# Altium PCB PCB SOM AM625.PcbDoc (part 2 of 6) (continued)
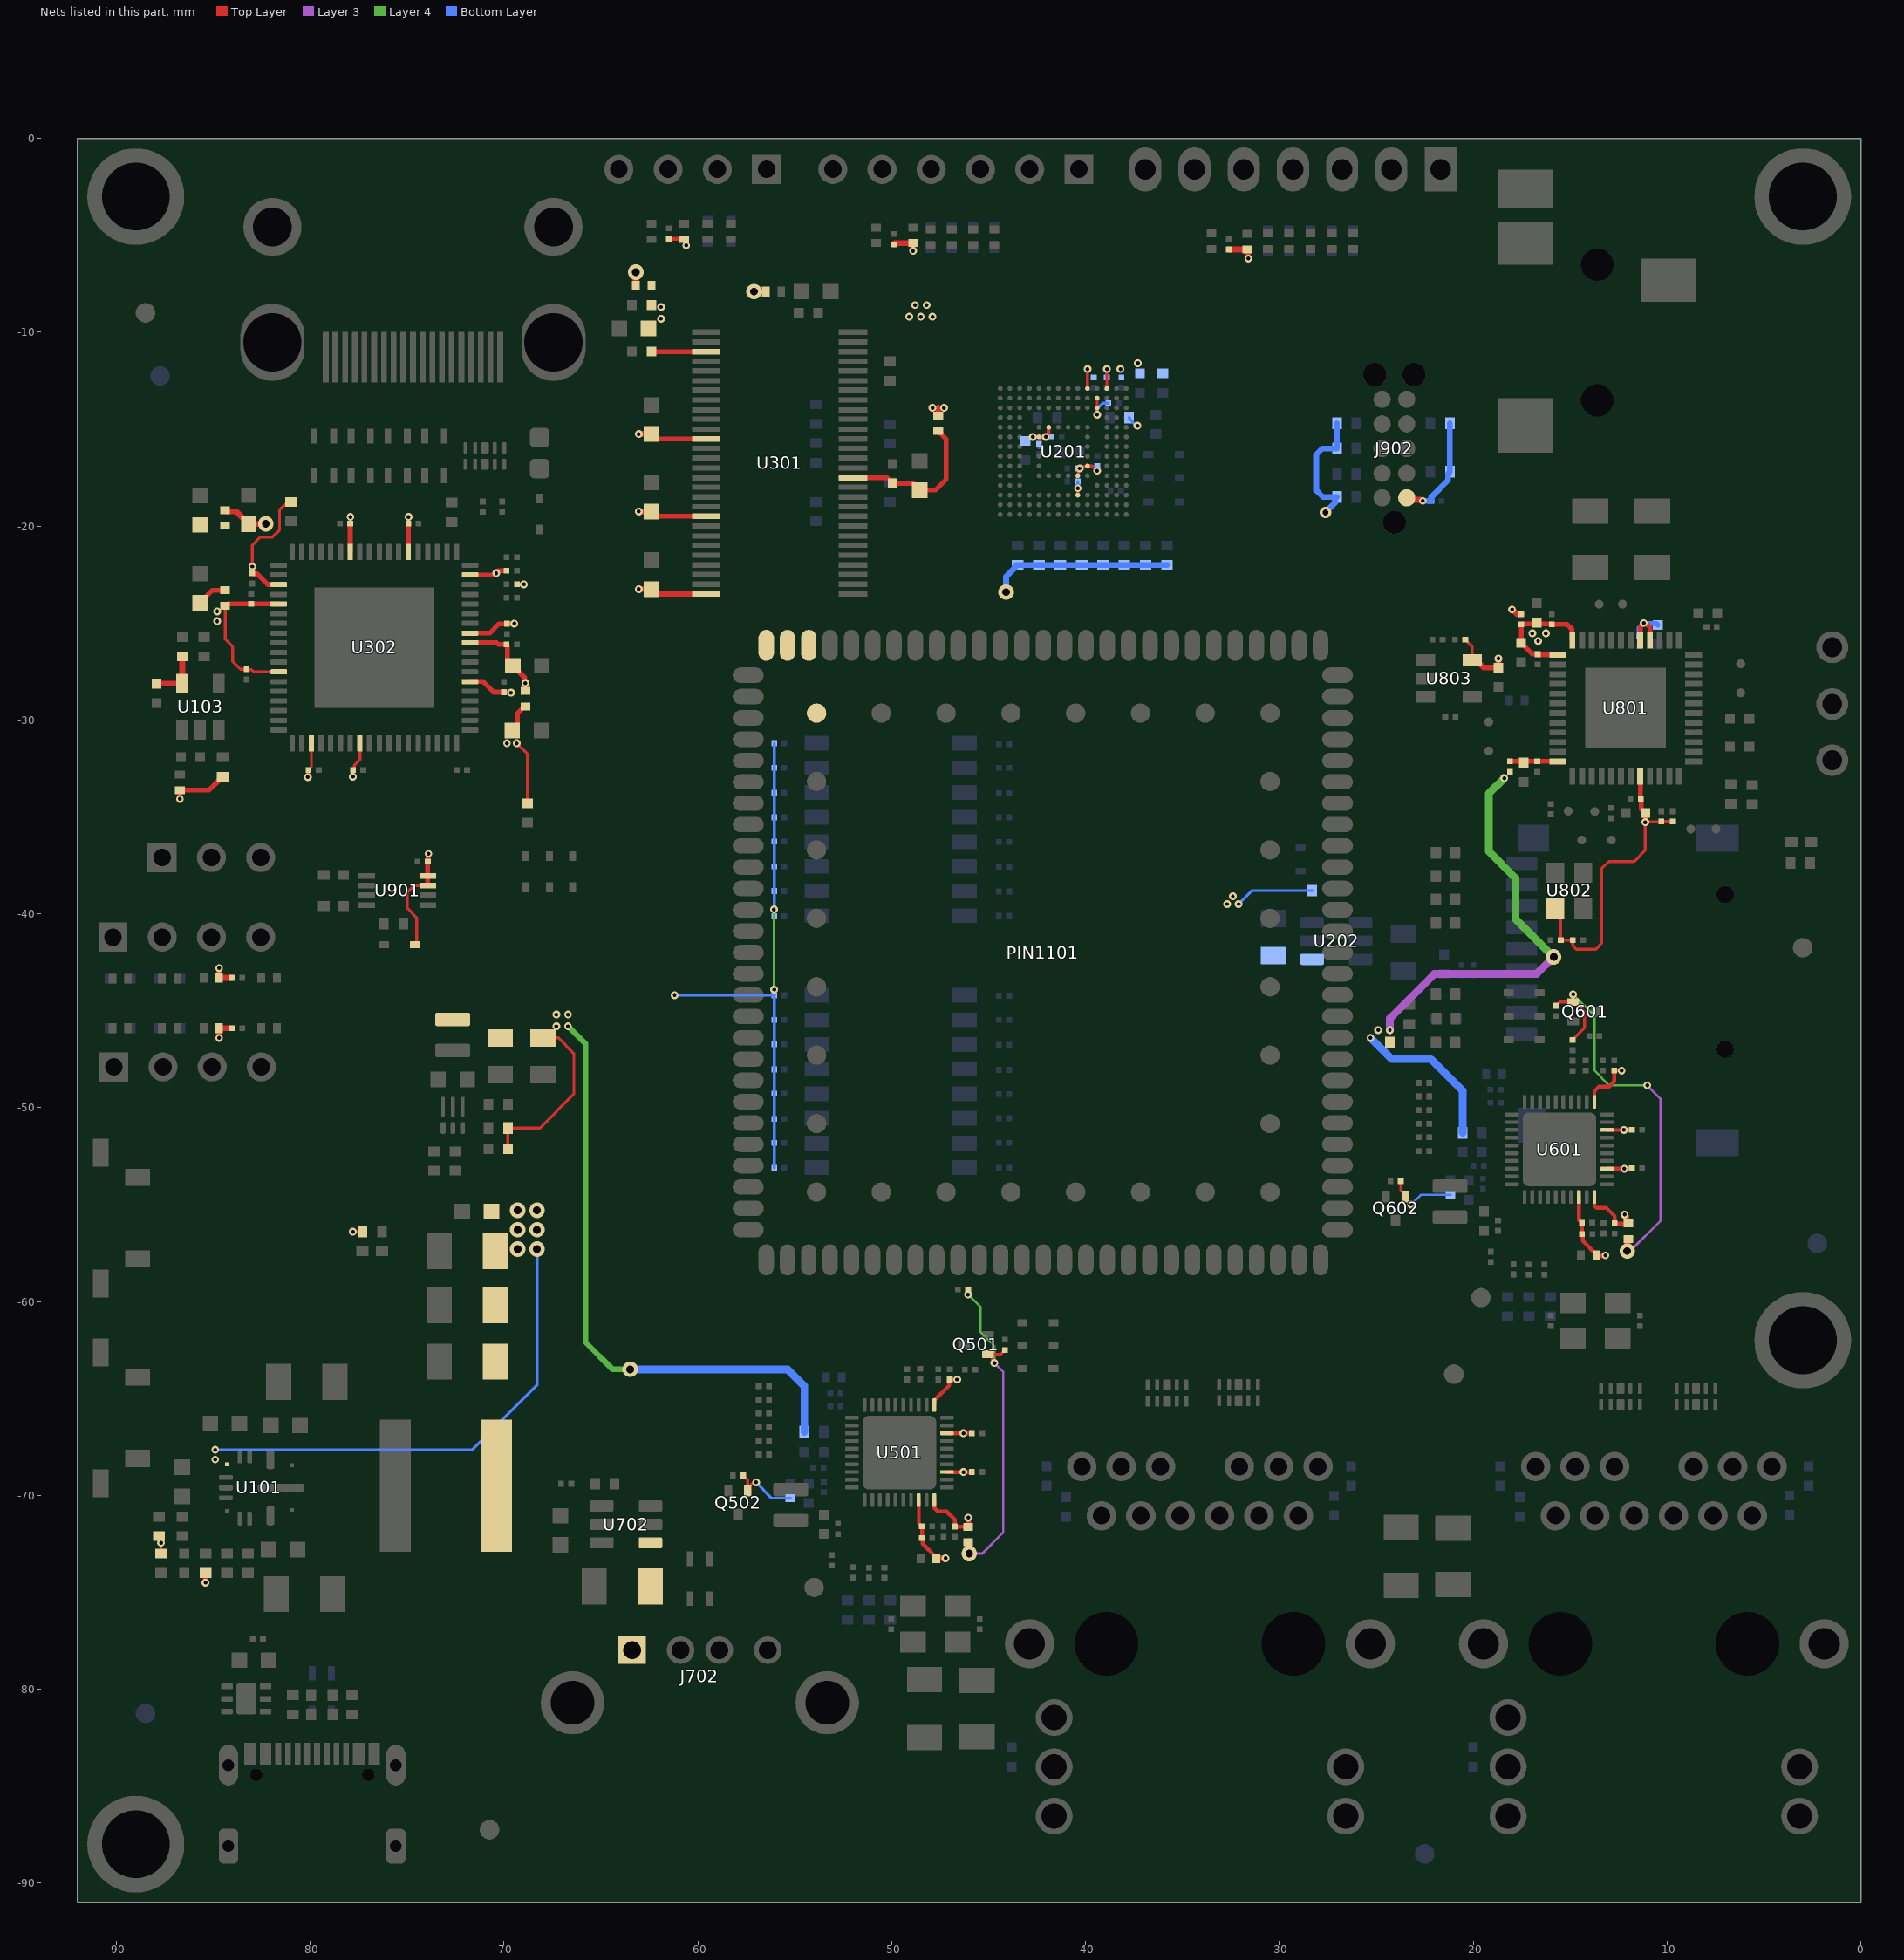
[diagram p6: the nets of this part, all layers, seen from the top]
## Part data (continued)
F301: "PTC Resettable Fuse 0.1A(hold) 0.3A(trip) 15V 40A 0.5W 1s 0.9Ohm SMD Solder Pad 0603 T/R Automotive", Case/Package=0603, Case Code (Metric)=1608, Hold Current=100mA, Manufacturer=Bourns, Max Current Rating=40A, Max Operating Temperature=85°C, Min Operating Temperature=-40°C, Operating Supply Voltage=15V, Package Quantity=5000, Power Dissipation=500mW, Resistance=6R, Supplier Part Number 1=MF-FSMF010X-2CT-ND, Trip Current=300mA, Approvals=UL,TUV, Case Code (Imperial)=0603, Category="PTC Resettable Fuses", ComponentLink1Description=https://datasheet.ciiva.com/22657/1482813-22657775.pdf?src-supplier=Element14, ComponentLink1URL=https://datasheet.ciiva.com/22657/1482813-22657775.pdf?src-supplier=Element14, ComponentLink2Description=https://datasheet.ciiva.com/7433/mffsmf-7433915.pdf?src-supplier=Digi-Key, ComponentLink2URL=https://datasheet.ciiva.com/7433/mffsmf-7433915.pdf?src-supplier=Digi-Key, ComponentLink3Description=https://datasheet.ciiva.com/7433/mffsmf-7433918.pdf?src-supplier=Digi-Key, ComponentLink3URL=https://datasheet.ciiva.com/7433/mffsmf-7433918.pdf?src-supplier=Digi-Key, ComponentLink4Description=https://datasheet.ciiva.com/7433/mffsmf-7433910.pdf?src-supplier=Digi-Key, ComponentLink4URL=https://datasheet.ciiva.com/7433/mffsmf-7433910.pdf?src-supplier=Digi-Key, ComponentLink5Description=https://datasheet.ciiva.com/32426/mf-fsmf-series-eng-tds-32426188.pdf?src-supplier=Distrelec, ComponentLink5URL=https://datasheet.ciiva.com/32426/mf-fsmf-series-eng-tds-32426188.pdf?src-supplier=Distrelec, ComponentLink6Description=https://datasheet.ciiva.com/28411/1482813-28411110.pdf?src-supplier=Element14, ComponentLink6URL=https://datasheet.ciiva.com/28411/1482813-28411110.pdf?src-supplier=Element14, ComponentLink7Description=https://datasheet.ciiva.com/48686/001055621-da-01-en-sich-ptc-reset-mf-fsmf010x-2-smd-0-1a-48686501.pdf?src-supplier=Conrad, ComponentLink7URL=https://datasheet.ciiva.com/48686/001055621-da-01-en-sich-ptc-reset-mf-fsmf010x-2-smd-0-1a-48686501.pdf?src-supplier=Conrad, Height=0.65mm, Lead Free="Lead Free", Length=1.6mm, Manufacturer Part Number=MF-FSMF010X-2, Mount="Surface Mount", Number of Pins=2NUMBER, Packaging="Tape and Reel", Pricing 1="1=0.24, 5=0.23, 10=0.221, 50=0.1968, 100=0.1833, 250=0.16288, 500=0.13574, 1000=0.12896 (USD)", Radiation Hardening=No, Reach SVHC Compliant=No, RoHS=Yes, RoHS Compliant=Yes, Series=MF-FSMF, Stock 1=14914, Supplier 1=Digi-Key, Terminal Material=Gold, Termination=SMD/SMT, Time to Trip=1s, Voltage Rating=15V, Voltage Rating (DC)=15V, Width=0.8mm
FB101 FB301 FB302 FB303 FB304 FB305 FB306 FB801 FB901 FB902 FB903 FB904 FB905 FB906 FB907 FB908 FB909 FB910 FB911 FB912 FB913 FB914 FB915 FB916 FB917 FB918 FB919 FB920 FB921 FB922 FB923 FB924 FB925: library part BLM15PD121SZ1D, "Ferrite Beads Multi-Layer 120Ohm 25% 100MHz 1.3A 0.09Ohm DCR 0402 Automotive T/R", Case/Package=0402, Case Code (Metric)=1005, Manufacturer=Murata, Max Current Rating=1.3A, Max Operating Temperature=125°C, Min Operating Temperature=-55°C, Ratings=AEC-Q200, Resistance=90mR, Test Frequency=100MHz, Tolerance=25%, Case Code (Imperial)=0402, Category="Ferrite Beads and Chips", ComponentLink1Description=https://www.murata.com/en-us/products/productdata/8796748677150/QNFA9118.pdf?src-supplier=Digi-Key, ComponentLink1URL=https://www.murata.com/en-us/products/productdata/8796748677150/QNFA9118.pdf?src-supplier=Digi-Key, Core Material=228ConductorMaterial, Height=550um, Manufacturer Part Number=BLM15PD121SZ1D, Mount="Surface Mount", Number of Lines=1, Packaging="Cut Tape", Pricing 1="10000=0.0178, 20000=0.0168, 30000=0.016, 50000=0.0158 (USD)", RMS Current (Irms)=1.3A, RoHS=Yes, RoHS Compliant=Yes, Series="EMIFIL®, BLM15", Series Resistance=90mR, Stock 1=10000, Supplier 1="Arrow Electronics", Supplier Part Number 1=BLM15PD121SZ1D
FB501 FB502 FB503 FB504 FB601 FB602 FB603 FB604: library part BLM15PD121SZ1D, "Ferrite Beads Multi-Layer 120Ohm 25% 100MHz 1.3A 0.09Ohm DCR 0402 Automotive T/R", Case Code (Imperial)=0402, Case Code (Metric)=1005, Manufacturer=Murata, Max Current Rating=1.3A, Max Operating Temperature=125°C, Min Operating Temperature=-55°C, Ratings=AEC-Q200, Resistance=90mR, Test Frequency=100MHz, Tolerance=25%, Case/Package=0402, Category="Ferrite Beads and Chips", ComponentLink1Description=https://www.murata.com/en-us/products/productdata/8796748677150/QNFA9118.pdf?src-supplier=Digi-Key, ComponentLink1URL=https://www.murata.com/en-us/products/productdata/8796748677150/QNFA9118.pdf?src-supplier=Digi-Key, Core Material=228ConductorMaterial, Height=550um, Manufacturer Part Number=BLM15PD121SZ1D, Mount="Surface Mount", Number of Lines=1, Packaging="Cut Tape", Pricing 1="10000=0.0178, 20000=0.0168, 30000=0.016, 50000=0.0158 (USD)", RMS Current (Irms)=1.3A, RoHS=Yes, RoHS Compliant=Yes, Series="EMIFIL®, BLM15", Series Resistance=90mR, Stock 1=10000, Supplier 1="Arrow Electronics", Supplier Part Number 1=BLM15PD121SZ1D
FID1001 FID1002 FID1003 FID1004 FID1005 FID1006 FID1007 FID1008: "Fiducial 40mil Diameter, 120mil Mask", Supplier=Digikey
J201: "Conn Micro SD Card HDR 8 POS 1.1mm Solder RA SMD Embossed T/R 0.5A", Current Rating=500mA, Manufacturer=Suntech, Max Operating Temperature=85°C, Max Voltage Rating (AC)=125V, Min Operating Temperature=-25°C, Package Quantity=1500, Supplier Part Number 1=9010731, Category="Memory Connectors", Contact Material="Copper Alloy", Contact Plating=Gold, Depth=15.95mm, Gender=Female, Height=1.68mm, Housing Material=Polymer, Lead Free="Lead Free", Length=15.95mm, Manufacturer Part Number=ST-TF-003J, Max Current Rating=500mA, Mount="Standard,Surface Mount", Number of Contacts=8, Number of Positions=8, Number of Rows=1, Orientation="Right Angle", Packaging="Tape and Reel", Pitch=1.1mm, Radiation Hardening=No, Reach SVHC Compliant=No, RoHS=Yes, RoHS Compliant=Yes, Termination=SMD/SMT, Voltage Rating=125V, Width=13.85mm
J301: "CONN RCPT 19POS HDMI RT ANG SMD", Manufacturer="Molex Connector Corporation", Operating Temperature="-20°C to +85°C", Supplier Part Number=WM19086CT-ND, .Checked PCB=used, .Checked SCH=used, Category="Connectors, Interconnects", ComponentLink1Description=http://www.molex.com/pdm_docs/sd/471510001_sd.pdf, ComponentLink1URL=http://www.molex.com/pdm_docs/sd/471510001_sd.pdf, Connector Type=HDMI, Family="USB, IEEE-1394 (Firewire), DVI, HDMI", Features="Detent Lock", Gender=Receptacle, Ingress Protection=-, Manufacturer Part Number=47151-0001, Mounting Type="Surface Mount, Right Angle, Horizontal", Number of Contacts=19, Number of Positions=19, Packaging="Cut Tape (CT)", Pitch="0.50mm (.020\")", Price 1k [$]=1.74610, Pricing 1="1=3.1, 10=2.57, 50=2.1456, 100=1.9034 (USD)", RoHS="RoHS Compliant", Specifications=-, Stock 1=2756, Supplier=Digikey, Supplier 1=Digi-Key, Supplier Part Number 1=WM19086CT-ND
J501 J601: "CONN MAGJACK 1PORT SHLD 1000BT", LED Color="Green, Orange - Yellow", Manufacturer="Bel Fuse Inc", Supplier Part Number 1=380-1110-ND, .Checked PCB=RF, .Checked SCH=RF, Category="Connectors, Interconnects", ComponentLink1Description=http://www.belfuse.com/Data/Datasheets/L829-1J1T-43.pdf, ComponentLink1URL=http://www.belfuse.com/Data/Datasheets/L829-1J1T-43.pdf, Connector Type=RJ45, Features="AutoMDIX, Board Guide", Height Above Board="0.445\" (11.30mm)", Manufacturer Part Number=L829-1J1T-43, Mounting Type="Panel Mount; Through Hole, Right Angle", Number of Cores per Jack=8, Number of Ports=1, Number of Rows=1, Packaging=Tray, Pricing 1="1=4.67, 10=3.863, 100=2.8974, 250=2.672, 500=2.41446, 1000=2.14082, 2500=2.05229, 5000=2.01205 (GBP)", RoHS="RoHS Compliant", Shielding=Shielded, Speed="10/100/1000 Base-T", Stock 1=7172, Supplier 1=Digi-Key, Tab Direction=Up
J701: library part USB4105-GF-A, "Conn USB 2.0 Type C RCP 24 POS 0.3mm/0.5mm Solder RA SMD 24 Terminal 1 Port T/R", Flammability Rating="UL94 V-0", Insulation Color=Black, Manufacturer="Global Connector Technology", Max Operating Temperature=85°C, Min Operating Temperature=-40°C, Supplier Part Number 1=86AH2021, Voltage Rating=20V, Category="USB Connectors", ComponentLink1Description=https://gct.co/files/drawings/usb4105.pdf?src-supplier=Digi-Key, ComponentLink1URL=https://gct.co/files/drawings/usb4105.pdf?src-supplier=Digi-Key, ComponentLink2Description=https://datasheet.octopart.com/USB4105-GF-A-GCT-datasheet-166929323.pdf?src-supplier=TME, ComponentLink2URL=https://datasheet.octopart.com/USB4105-GF-A-GCT-datasheet-166929323.pdf?src-supplier=TME, Connector Type=USB, Contact Material=153,157ConductorMaterial, Contact Plating=Gold, Gender=Receptacle, Height=3.46mm, Manufacturer Part Number=USB4105-GF-A, Mating Cycles=10000, Mount="Surface Mount,Through Hole,Horizontal", Number of Contacts=16NUMBER, Number of Ports=1, Pricing 1="1=0.811, 10=0.737, 25=0.695, 50=0.666, 100=0.638, 250=0.581, 500=0.539 (USD)", RoHS=No, Series=USB4105, Shielding=Shielded, Stock 1=1576, Supplier 1=Newark, Termination=Solder, USB Standard=6108USBStandard
J702: library part USB1130-15-A, "Usb Conn, 2.0 Type A, R/a Rcpt, 4Pos, Th Rohs Compliant: Yes", Manufacturer="Global Connector Technology", Supplier Part Number 1=5161878, Category=Connectors, ComponentLink1Description=https://datasheet.octopart.com/USB1130-15-A-Global-Connector-Technology-datasheet-148834151.pdf?src-supplier=Future+Electronics, ComponentLink1URL=https://datasheet.octopart.com/USB1130-15-A-Global-Connector-Technology-datasheet-148834151.pdf?src-supplier=Future+Electronics, Manufacturer Part Number=USB1130-15-A, Pricing 1="230=0.425, 690=0.41, 1150=0.4, 2300=0.39, 4600=0.375 (USD)", RoHS=No, Stock 1=460, Supplier 1="Future Electronics"
J801: "3.5 mm, 4 Conductors, Right Angle, Surface Mount (SMT), Audio Jack Connector", Manufacturer="CUI Devices", Category="Audio / Video Connectors", ComponentLink1Description=https://datasheet.octopart.com/SJ-43514-SMT-TR-CUI-Devices-datasheet-137916562.pdf?src-supplier=Future+Electronics, ComponentLink1URL=https://datasheet.octopart.com/SJ-43514-SMT-TR-CUI-Devices-datasheet-137916562.pdf?src-supplier=Future+Electronics, ComponentLink2Description=https://www.cuidevices.com/product/resource/digikeypdf/sj-4351x-smt.pdf?src-supplier=Digikey, ComponentLink2URL=https://www.cuidevices.com/product/resource/digikeypdf/sj-4351x-smt.pdf?src-supplier=Digikey, Manufacturer Part Number=SJ-43514-SMT-TR, Pricing 1="5000=0.498, 6000=0.493, 10000=0.4893 (USD)", RoHS=Yes, Stock 1=15500, Supplier 1="Arrow Electronics", Supplier Part Number 1=SJ-43514-SMT-TR
J901 J903 J905: library part "Header 4x1", "Header, 4 Pin Pitch 2.54mm", MPN=S1012EC-40-ND, CompanyID=VT-00125, Solder=WAVE
L101: library part 74439358047, "Fixed Ind 4.7UH 9.5A 8.65 Mohm", Case/Package=Nonstandard, Current Rating=9.5A, DC Resistance (DCR)=8.65mR, Inductance Tolerance=20%, Manufacturer="Wurth Electronics", Max Operating Temperature=125°C, Min Operating Temperature=-40°C, Saturation Current=20.5A, Self Resonant Frequency=25MHz, Supplier Part Number 1=732-7275-1-ND, Test Frequency=100kHz, Category="Fixed Inductors", ComponentLink1Description=http://www.farnell.com/datasheets/1951867.pdf?src-supplier=Farnell, ComponentLink1URL=http://www.farnell.com/datasheets/1951867.pdf?src-supplier=Farnell, ComponentLink2Description=http://www.farnell.com/datasheets/1951867.pdf?src-supplier=Element14, ComponentLink2URL=http://www.farnell.com/datasheets/1951867.pdf?src-supplier=Element14, ComponentLink3Description=https://katalog.we-online.de/pbs/datasheet/74439358047.pdf?src-supplier=Digi-Key, ComponentLink3URL=https://katalog.we-online.de/pbs/datasheet/74439358047.pdf?src-supplier=Digi-Key, Core Material=Ferrite,Metal,Composite, Height - Seated (Max)=0.315inch, Inductance=4.7uH, Length=0.346inch, Manufacturer Part Number=74439358047, Mount="Surface Mount", Packaging="Cut Tape", Pricing 1="1=4.69, 50=4.048, 100=3.49, 250=3.06 (USD)", Reach SVHC Compliant=Unknown, RMS Current (Irms)=9.5A, RoHS=Yes, RoHS Compliant=Yes, Series=WE-XHMI, Shielding=Shielded, Stock 1=2723, Supplier 1=Digi-Key, Tolerance=20%, Width=0.327inch
L102: library part DFE201610E-R47M=P2, "Inductor Power Shielded Wirewound 0.47uH 20% 1MHz Metal 3.6A 0.032Ohm DCR 0806 T/R", Current Rating=3.6A, Inductance=470nH, Inductance Tolerance=20%, Manufacturer=Murata, Manufacturer Part Number=DFE201610E-R47M=P2, Max Operating Temperature=125°C, Min Operating Temperature=-40°C, Saturation Current=4.8A, Series Resistance=32mR, Supplier Part Number 1=490-18109-1-ND, Test Frequency=1MHz, Category="Fixed Inductors", ComponentLink1Description=http://www.farnell.com/datasheets/2339713.pdf?src-supplier=Farnell, ComponentLink1URL=http://www.farnell.com/datasheets/2339713.pdf?src-supplier=Farnell, ComponentLink2Description=https://datasheet.octopart.com/DFE201610E-R47M%3DP2-Murata-datasheet-90967093.pdf?src-supplier=Element14, ComponentLink2URL=https://datasheet.octopart.com/DFE201610E-R47M%3DP2-Murata-datasheet-90967093.pdf?src-supplier=Element14, ComponentLink3Description=http://search.murata.co.jp/Ceramy/image/img/P02/J(E)TE243A-0001_DFE201610E_reference.pdf?src-supplier=Digi-Key, ComponentLink3URL=http://search.murata.co.jp/Ceramy/image/img/P02/J(E)TE243A-0001_DFE201610E_reference.pdf?src-supplier=Digi-Key, ComponentLink4Description=https://datasheet.octopart.com/DFE201610E-R47M%3DP2-Murata-datasheet-150009017.pdf?src-supplier=Arrow.cn, ComponentLink4URL=https://datasheet.octopart.com/DFE201610E-R47M%3DP2-Murata-datasheet-150009017.pdf?src-supplier=Arrow.cn, Height=1mm, Packaging=13Packaging, Pricing 1="1=0.32, 10=0.261, 25=0.2412, 50=0.221, 100=0.1948, 250=0.1888, 500=0.16872, 1000=0.13658 (USD)", RMS Current (Irms)=3.6A, RoHS=Yes, RoHS Compliant=Yes, Stock 1=21073, Supplier 1=Digi-Key, Tolerance=20%
L301 L302 L303 L304 L701 L702: "Ind Common Mode Choke Wirewound 90Ohm 25% 100MHz 280mA 0805 Embossed T/R", Case/Package=0805, CURRENT=280mA, DC Resistance (DCR)=410mR, Manufacturer=Murata, Max Operating Temperature=85°C, Min Operating Temperature=-40°C, Package Quantity=1, Test Frequency=100MHz, Tolerance=25%, Voltage Rating (DC)=20V, Case Code (Imperial)=0805, Category="Common Mode Chokes", ComponentLink1Description=https://datasheet.ciiva.com/3068/l0114s0133dlw21s-3068656.pdf?src-supplier=Avnet, ComponentLink1URL=https://datasheet.ciiva.com/3068/l0114s0133dlw21s-3068656.pdf?src-supplier=Avnet, ComponentLink2Description=https://datasheet.ciiva.com/6216/l0114e-6216255.pdf?src-supplier=Digi-Key, ComponentLink2URL=https://datasheet.ciiva.com/6216/l0114e-6216255.pdf?src-supplier=Digi-Key, ComponentLink3Description=https://datasheet.ciiva.com/4952/muratadl-plseries-202927-4952310.pdf?src-supplier=Mouser, ComponentLink3URL=https://datasheet.ciiva.com/4952/muratadl-plseries-202927-4952310.pdf?src-supplier=Mouser, ComponentLink4Description=https://datasheet.ciiva.com/18183/getdatasheetpartid-228875-18183367.pdf?src-supplier=Verical, ComponentLink4URL=https://datasheet.ciiva.com/18183/getdatasheetpartid-228875-18183367.pdf?src-supplier=Verical, Current Rating=280mA, DC Current=280mA, Depth=1.2mm, Height=0.055inch, Impedance=90R, Lead Free="Lead Free", Length=2mm, Manufacturer Part Number=DLW21SN900HQ2L, Max Current Rating=280mA, Max DC Current=280mA, Military Standard=Not, Mount="Surface Mount", Number of Lines=2, Packaging="Tape and Reel", Pricing 1="2000=0.2295, 4000=0.2273, 6000=0.225, 10000=0.2175, 24000=0.2153, 50000=0.2148 (USD)", Radiation Hardening=No, Reach SVHC Compliant=No, RoHS=Yes, RoHS Compliant=Yes, Series="EMIFIL®, DLW21S", Shielding=Unshielded, Stock 1=18000, Supplier 1="Arrow Electronics", Supplier Part Number 1=DLW21SN900HQ2L, Termination=SMD/SMT, Weight=0.000388oz, Width=0.047inch
L501 L601: library part DFE201610P-2R2M=P2, "Inductor Power Shielded Wirewound 2.2uH 20% 1MHz Metal 1.4A 0.168Ohm DCR 0806 T/R", Case Code (Imperial)=0806, Case Code (Metric)=2016, Current Rating=2A, DC Resistance (DCR)=168mR, Manufacturer=Murata, Manufacturer Part Number=DFE201610P-2R2M=P2, Max Operating Temperature=125°C, Min Operating Temperature=-40°C, Test Frequency=1MHz, Tolerance=20%, Case/Package=0806, Category="Fixed Inductors", ComponentLink1Description=http://farnell.com//datasheets/2550119.pdf?src-supplier=Farnell, ComponentLink1URL=http://farnell.com//datasheets/2550119.pdf?src-supplier=Farnell, ComponentLink2Description=https://www.murata.com/~/media/webrenewal/products/inductor/chip/tokoproducts/wirewoundmetalalloychiptype/m_dfe201610p.ashx?src-supplier=Digi-Key, ComponentLink2URL=https://www.murata.com/~/media/webrenewal/products/inductor/chip/tokoproducts/wirewoundmetalalloychiptype/m_dfe201610p.ashx?src-supplier=Digi-Key, Core Material=Ferrite, Height - Seated (Max)=0.039inch, Inductance=2.2uH, Length=0.079inch, Mount="Surface Mount", Packaging="Cut Tape", Pricing 1="1=0.1096 (USD)", RoHS=Yes, RoHS Compliant=Yes, Series=DFE201610P, Shielding=Shielded, Stock 1=1, Supplier 1="Arrow Electronics", Supplier Part Number 1=DFE201610P-2R2M=P2, Width=0.063inch
LED1001: library part BL-HGE37A-AV-TRB, "Yellow Green 0402 1X.5X4MM", Manufacturer="American Bright", Supplier Part Number 1=BL-HGE37A-AV-TRBCT-ND, Category=LEDs, ComponentLink1Description=http://americanbrightled.com/pdffiles/smt/BL-HGE37A-AV-TRB.pdf?src-supplier=Digi-Key, ComponentLink1URL=http://americanbrightled.com/pdffiles/smt/BL-HGE37A-AV-TRB.pdf?src-supplier=Digi-Key, ComponentLink2Description=http://www.americanbrightled.com/pdffiles/smt/BL-HGE37A-AV-TRB.pdf?src-supplier=Digi-Key, ComponentLink2URL=http://www.americanbrightled.com/pdffiles/smt/BL-HGE37A-AV-TRB.pdf?src-supplier=Digi-Key, Manufacturer Part Number=BL-HGE37A-AV-TRB, Pricing 1="1=0.34, 10=0.268, 100=0.1202, 500=0.1086, 1000=0.0892 (USD)", RoHS=Yes, Stock 1=34287, Supplier 1=Digi-Key
LED1002: library part SML-P12U2TT86R, "LED Uni-Color Red 2-Pin Chip 0402(1006Metric) T/R", Manufacturer=Rohm, Supplier Part Number 1=846-1192-1-ND, Category=LEDs, ComponentLink1Description=http://www.mouser.com/ds/2/348/sml-p1-471200.pdf?src-supplier=Mouser, ComponentLink1URL=http://www.mouser.com/ds/2/348/sml-p1-471200.pdf?src-supplier=Mouser, ComponentLink2Description=https://datasheet.octopart.com/SML-P12U2TT86R-Rohm-datasheet-138791994.pdf?src-supplier=Future+Electronics, ComponentLink2URL=https://datasheet.octopart.com/SML-P12U2TT86R-Rohm-datasheet-138791994.pdf?src-supplier=Future+Electronics, ComponentLink3Description=https://www.rohm.com/datasheet/SML-P12DT(R)?src-supplier=Digi-Key, ComponentLink3URL=https://www.rohm.com/datasheet/SML-P12DT(R)?src-supplier=Digi-Key, ComponentLink4Description=https://d1d2qsbl8m0m72.cloudfront.net/en/products/databook/datasheet/opto/led/chip_mono/sml-p1-e.pdf?src-supplier=Digi-Key, ComponentLink4URL=https://d1d2qsbl8m0m72.cloudfront.net/en/products/databook/datasheet/opto/led/chip_mono/sml-p1-e.pdf?src-supplier=Digi-Key, Manufacturer Part Number=SML-P12U2TT86R, Pricing 1="1=0.36, 10=0.236, 100=0.1577, 500=0.10908, 1000=0.0909, 2000=0.08181 (USD)", RoHS=Yes, Stock 1=17913, Supplier 1=Digi-Key
MH1001 MH1002 MH1003 MH1004: "Mounting Hole 5mm Diameter, 3.5mm Hole"
P901: library part "Header 7x1", "Header, 7-Pin, 2.54mm", Solder=WAVE
P902: library part "Header 6x1", "Header, 6-Pin", Solder=WAVE
PIN1101: library part PIN_OUT
Q501 Q502 Q601 Q602: "Transistor MOSFET NTR4003NT1G, SOT23, ON Semi", Case/Package=SOT-523, Continuous Drain Current (ID)=630mA, Drain to Source Resistance=300mR, Drain to Source Voltage (Vdss)=20V, Drain-source On Resistance-Max=400MR, Gate to Source Voltage (Vgs)=6V, Input Capacitance=60.67pF, Manufacturer=Diodes, Max Operating Temperature=150°C, Max Power Dissipation=280mW, Min Operating Temperature=-55°C, Package Quantity=3000, Supplier Part Number 1=1018280, Threshold Voltage=1V, Category=MOSFETs, ComponentLink1Description=https://datasheet.ciiva.com/934/ds31783-934512.pdf?src-supplier=Digi-Key, ComponentLink1URL=https://datasheet.ciiva.com/934/ds31783-934512.pdf?src-supplier=Digi-Key, ComponentLink2Description=https://datasheet.ciiva.com/4442/ds31783-44973-4442944.pdf?src-supplier=Mouser, ComponentLink2URL=https://datasheet.ciiva.com/4442/ds31783-44973-4442944.pdf?src-supplier=Mouser, ComponentLink3Description=https://datasheet.ciiva.com/11174/ds31783-11174965.pdf?src-supplier=Avnet, ComponentLink3URL=https://datasheet.ciiva.com/11174/ds31783-11174965.pdf?src-supplier=Avnet, ComponentLink4Description=https://datasheet.ciiva.com/934/ds31783-934511.pdf?src-supplier=Digi-Key, ComponentLink4URL=https://datasheet.ciiva.com/934/ds31783-934511.pdf?src-supplier=Digi-Key, ComponentLink5Description=https://datasheet.ciiva.com/6383/ds31783-6383803.pdf?src-supplier=Digi-Key, ComponentLink5URL=https://datasheet.ciiva.com/6383/ds31783-6383803.pdf?src-supplier=Digi-Key, Fall Time=12.3ns, FET Type="1 N-Channel", Height=0.8mm, Lead Free="Lead Free", Length=1.7mm, Manufacturer Part Number=DMG1012T-7, Mount="Surface Mount", Number of Channels=1, Number of Elements=1, Number of Pins=3, Packaging="Tape and Reel", Polarity=N-CHANNEL, Power Dissipation=280mW, Pricing 1="3000=0.0322, 9000=0.0311, 30000=0.0299, 60000=0.0292, 120000=0.0279 (USD)", Radiation Hardening=No, Rds On Max=400mR, Reach SVHC Compliant=No, Rise Time=7.4ns, RoHS=Yes, RoHS Compliant=Yes, Series=-, Stock 1=2052000, Supplier 1="Future Electronics", Turn-Off Delay Time=26.7ns, Turn-On Delay Time=5.1ns, Weight=7.1E-05oz, Width=0.85mm
R101 R103 R104: library part RC0402FR-07100KL, "SMD Chip Resistor, 100 kOhm, ± 1%, 63 mW, 0402 [1005 Metric], Thick Film, General Purpose", Case Code (Imperial)=0402, Case Code (Metric)=1005, Manufacturer=Yageo, Max Operating Temperature=155°C, Max Power Dissipation=63mW, Min Operating Temperature=-55°C, Package Quantity=1, Resistance=100kR, Resistance Tolerance=1%, Resistor Type="Thick Film", Supplier Part Number 1=6468466, Temperature Coefficient=100ppm/°C, Voltage Rating=50V, Case/Package=0402, Category="Chip SMD Resistors", ComponentLink1Description=https://datasheet.ciiva.com/11819/0900766b80c66297-11819452.pdf?src-supplier=Rs, ComponentLink1URL=https://datasheet.ciiva.com/11819/0900766b80c66297-11819452.pdf?src-supplier=Rs, ComponentLink2Description=https://datasheet.ciiva.com/22747/1018594-22747509.pdf?src-supplier=Element14, ComponentLink2URL=https://datasheet.ciiva.com/22747/1018594-22747509.pdf?src-supplier=Element14, ComponentLink3Description=https://datasheet.ciiva.com/2453/pyu-r-int-thick-7-2453362.pdf?src-supplier=Digi-Key, ComponentLink3URL=https://datasheet.ciiva.com/2453/pyu-r-int-thick-7-2453362.pdf?src-supplier=Digi-Key, ComponentLink4Description=https://datasheet.ciiva.com/2453/pyu-r-int-thick-7-2453363.pdf?src-supplier=Digi-Key, ComponentLink4URL=https://datasheet.ciiva.com/2453/pyu-r-int-thick-7-2453363.pdf?src-supplier=Digi-Key, ComponentLink5Description=https://datasheet.ciiva.com/2453/pyu-r-int-thick-7-2453361.pdf?src-supplier=Digi-Key, ComponentLink5URL=https://datasheet.ciiva.com/2453/pyu-r-int-thick-7-2453361.pdf?src-supplier=Digi-Key, ComponentLink6Description=https://datasheet.ciiva.com/12667/pyu-rc0402-51-rohs-l-6-r-12667930.pdf?src-supplier=Mouser, ComponentLink6URL=https://datasheet.ciiva.com/12667/pyu-rc0402-51-rohs-l-6-r-12667930.pdf?src-supplier=Mouser, ComponentLink7Description=https://datasheet.ciiva.com/15189/getdatasheetpartid-323696-15189334.pdf?src-supplier=Verical, ComponentLink7URL=https://datasheet.ciiva.com/15189/getdatasheetpartid-323696-15189334.pdf?src-supplier=Verical, Construction=Rectangular, Depth=0.5mm, Features="Moisture Resistant", Height=0.016inch, Lead Free=5697LeadFree, Length=0.039inch, Manufacturer Part Number=RC0402FR-07100KL, Military Standard=Not, Number of Terminations=2, Packaging="Tape and Reel", Power Rating=63mW, Pricing 1="10000=0.0008, 50000=0.0008, 250000=0.0007, 500000=0.0007, 1500000=0.0007 (USD)", Reach SVHC Compliant=No, RoHS=Yes, RoHS Compliant=Yes, Series=RC, Stock 1=57860000, Supplier 1="Future Electronics", Technology="THICK FILM", Termination=SMD/SMT, Tolerance=1%, Voltage Rating (AC)=50V, Width=0.02inch
R102 R507 R508 R607 R608: library part RC0402FR-071KL, "SMD Chip Resistor, 1 kOhm, ± 1%, 63 mW, 0402 [1005 Metric], Thick Film, General Purpose", Case Code (Imperial)=0402, Case Code (Metric)=1005, Manufacturer=Yageo, Max Operating Temperature=155°C, Max Power Dissipation=63mW, Min Operating Temperature=-55°C, Power Rating=62.5mW, Resistance=1kR, Resistance Tolerance=1%, Resistor Type="Thick Film", Supplier Part Number 1=7825607, Temperature Coefficient=100ppm/°C, Voltage Rating=50V, Case/Package=0402, Category="Chip SMD Resistors", ComponentLink1Description=https://datasheet.ciiva.com/11819/0900766b80c66297-11819477.pdf?src-supplier=Rs, ComponentLink1URL=https://datasheet.ciiva.com/11819/0900766b80c66297-11819477.pdf?src-supplier=Rs, ComponentLink2Description=https://datasheet.ciiva.com/7983/1018594-7983502.pdf?src-supplier=Element14, ComponentLink2URL=https://datasheet.ciiva.com/7983/1018594-7983502.pdf?src-supplier=Element14, ComponentLink3Description=https://datasheet.ciiva.com/22747/1018594-22747513.pdf?src-supplier=Element14, ComponentLink3URL=https://datasheet.ciiva.com/22747/1018594-22747513.pdf?src-supplier=Element14, ComponentLink4Description=https://datasheet.ciiva.com/12666/pyu-rc0402-51-rohs-l-6-r-12666741.pdf?src-supplier=Mouser, ComponentLink4URL=https://datasheet.ciiva.com/12666/pyu-rc0402-51-rohs-l-6-r-12666741.pdf?src-supplier=Mouser, ComponentLink5Description=https://datasheet.ciiva.com/7849/1018594-7849869.pdf?src-supplier=Element14, ComponentLink5URL=https://datasheet.ciiva.com/7849/1018594-7849869.pdf?src-supplier=Element14, ComponentLink6Description=https://datasheet.ciiva.com/7849/1018594-7849871.pdf?src-supplier=Element14, ComponentLink6URL=https://datasheet.ciiva.com/7849/1018594-7849871.pdf?src-supplier=Element14, ComponentLink7Description=https://datasheet.ciiva.com/17063/pyu-rc0402-51-rohs-l-6-r-17063193.pdf?src-supplier=Future+Electronics, ComponentLink7URL=https://datasheet.ciiva.com/17063/pyu-rc0402-51-rohs-l-6-r-17063193.pdf?src-supplier=Future+Electronics, Construction=Rectangular, Depth=0.5mm, Features="Moisture Resistant", Height=0.32mm, Length=1mm, Manufacturer Part Number=RC0402FR-071KL, Military Standard=Not, Number of Pins=2, Number of Terminations=2, Packaging="Tape and Reel", Pricing 1="10000=0.0008, 50000=0.0008, 250000=0.0007, 500000=0.0007, 1500000=0.0007 (USD)", Reach SVHC Compliant=No, RoHS=Yes, RoHS Compliant=Yes, Series=RC, Size Code=0402, Stock 1=37960000, Supplier 1="Future Electronics", Technology="THICK FILM", Termination=SMD/SMT, Tolerance=1%, Voltage Rating (AC)=50V, Voltage Rating (DC)=50V, Width=0.5mm
R105: library part RC0402FR-0732K4L, "SMD Chip Resistor, 32.4 kOhm, ± 1%, 63 mW, 0402 [1005 Metric], Thick Film, General Purpose", Manufacturer=Yageo, Supplier Part Number 1=4331021, Category="Chip SMD Resistors", ComponentLink1Description=https://datasheet.ciiva.com/12558/pyu-rc0402-51-rohs-l-6-r-8721-12558541.pdf?src-supplier=Mouser, ComponentLink1URL=https://datasheet.ciiva.com/12558/pyu-rc0402-51-rohs-l-6-r-8721-12558541.pdf?src-supplier=Mouser, ComponentLink2Description=https://datasheet.ciiva.com/16743/pyu-rc0402-51-rohs-l-6-r-16743927.pdf?src-supplier=Future+Electronics, ComponentLink2URL=https://datasheet.ciiva.com/16743/pyu-rc0402-51-rohs-l-6-r-16743927.pdf?src-supplier=Future+Electronics, ComponentLink3Description=https://datasheet.ciiva.com/8889/pyu-rc0402-51-rohs-l-6-8889597.pdf?src-supplier=Avnet, ComponentLink3URL=https://datasheet.ciiva.com/8889/pyu-rc0402-51-rohs-l-6-8889597.pdf?src-supplier=Avnet, Manufacturer Part Number=RC0402FR-0732K4L, Pricing 1="10000=0.0008, 50000=0.0008, 250000=0.0007, 500000=0.0007, 1500000=0.0007 (USD)", RoHS=Yes, Stock 1=90000, Supplier 1="Future Electronics"
R106: library part RC0402FR-0743K2L, "SMD Chip Resistor, 43.2 kOhm, ± 1%, 63 mW, 0402 [1005 Metric], Thick Film, General Purpose", Manufacturer=Yageo, Supplier Part Number 1=9101908, Voltage Rating (DC)=50V, Category="Chip SMD Resistors", ComponentLink1Description=https://datasheet.ciiva.com/2519/pyu-r-int-thick-7-2519030.pdf?src-supplier=Digi-Key, ComponentLink1URL=https://datasheet.ciiva.com/2519/pyu-r-int-thick-7-2519030.pdf?src-supplier=Digi-Key, ComponentLink2Description=https://datasheet.ciiva.com/2519/pyu-r-int-thick-7-2519031.pdf?src-supplier=Digi-Key, ComponentLink2URL=https://datasheet.ciiva.com/2519/pyu-r-int-thick-7-2519031.pdf?src-supplier=Digi-Key, ComponentLink3Description=https://datasheet.ciiva.com/2519/pyu-r-int-thick-7-2519032.pdf?src-supplier=Digi-Key, ComponentLink3URL=https://datasheet.ciiva.com/2519/pyu-r-int-thick-7-2519032.pdf?src-supplier=Digi-Key, ComponentLink4Description=https://datasheet.ciiva.com/17070/pyu-rc0402-51-rohs-l-6-r-17070574.pdf?src-supplier=Future+Electronics, ComponentLink4URL=https://datasheet.ciiva.com/17070/pyu-rc0402-51-rohs-l-6-r-17070574.pdf?src-supplier=Future+Electronics, Lead Free=5697LeadFree, Manufacturer Part Number=RC0402FR-0743K2L, Pricing 1="10000=0.0007, 100000=0.0006, 400000=0.0006, 1250000=0.0006, 4000000=0.0005 (USD)", RoHS=Yes, Stock 1=300000, Supplier 1="Future Electronics"
R107 R108 R111 R210 R213 R214 R217 R218 R219 R220 R221 R222 R223 R314 R901 R902 R903 R904 R905 R906 R907: library part RC0402FR-0710KL, "RES 10.0K OHM 1/16W 1% 0402 SMD", Manufacturer=Yageo, Package / Case="0402 (1005 Metric)", Power (Watts)="0.063W, 1/16W", Supplier Part Number=311-10.0KLRCT-ND, Temperature Coefficient=±100ppm/°C, Tolerance=±1%, .Checked PCB=used, .Checked SCH=used, Category=Resistors, ComponentLink1Description=http://www.yageo.com/documents/recent/PYu-RC0402_51_RoHS_L_6.pdf, ComponentLink1URL=http://www.yageo.com/documents/recent/PYu-RC0402_51_RoHS_L_6.pdf, Composition="Thick Film", Features=-, Height="0.016\" (0.40mm)", Manufacturer Part Number=RC0402FR-0710KL, Number of Terminations=2, Packaging="Cut Tape (CT)", Price 1k [$]=0.01421, Pricing 1="10=0.014, 50=0.0104, 100=0.0079, 250=0.00584, 500=0.00432, 1000=0.00288 (USD)", Resistance (Ohms)=10K, RoHS="RoHS Compliant", Size / Dimension="0.039\" L x 0.020\" W (1.00mm x 0.50mm)", Stock 1=2916495, Supplier=Digikey, Supplier 1=Digi-Key, Supplier Part Number 1=311-10.0KLRCT-ND